# Altium PCB PCB5.PcbDoc (part 1 of 2) (continued)
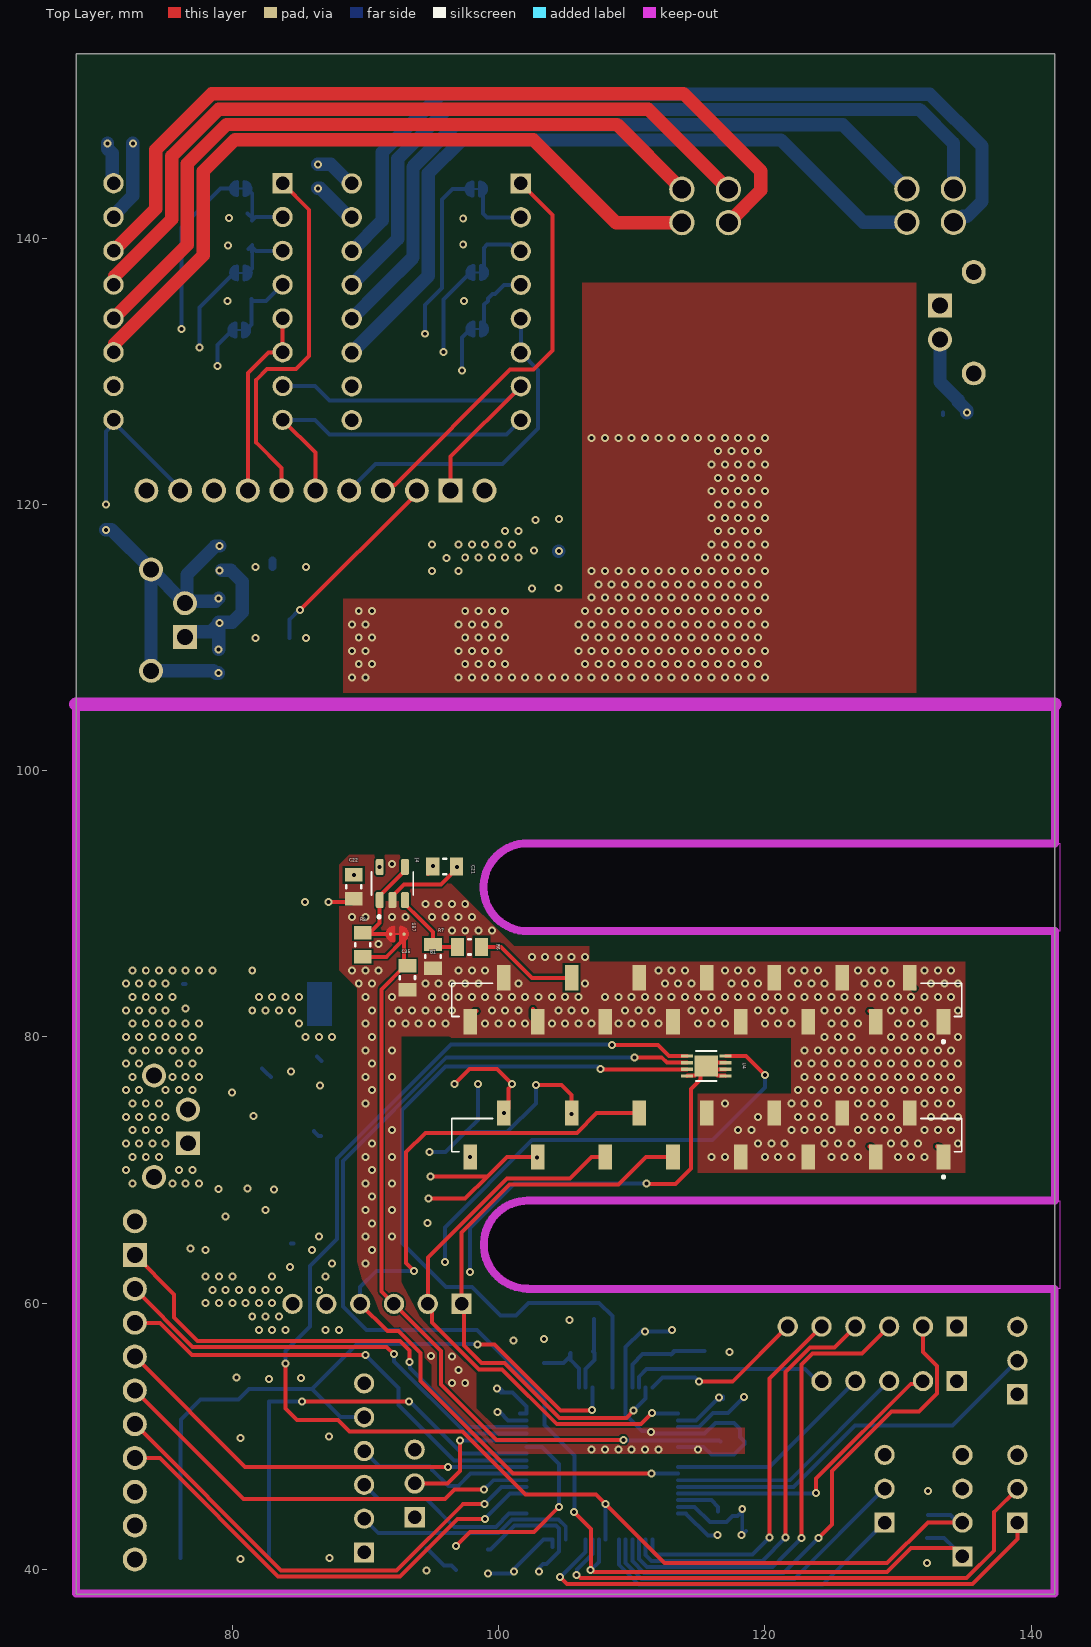
[diagram p0: Top Layer view]
## Footprints (in the part's own frame and the unit in brackets; to place one, negate y for a bottom-side part, rotate by r counter-clockwise, add the part's x,y. Pads: shape width x height; smd on the part's side, far side on the other; paste and mask are expansions set on the pad)
CONN4_1787014_PXC [mm]
  round 1.905 / inner round 1.524 / far side round 1.905 hole 1.397 paste-2539.97 mask+0: 1(0,0) 2(3.5,0) 3(0,-2.5) 4(3.5,-2.5)
  silkscreen extent -5.45,-10.63 8.95,1.39, body extent -5.25,-10.5 8.75,1.1, height 10.8
DFN8_2x3MC_MCH-M [mm]
  rect 0.908x0.255 smd paste+0 mask+0: 1(-1.445,0.75) 2(-1.445,0.25) 3(-1.445,-0.25) 4(-1.445,-0.75) 5(1.445,-0.75) 6(1.445,-0.25) 7(1.445,0.25) 8(1.445,0.75)
  rect 1.753x1.549 smd paste+0 mask+0: 9(0,0)
  silkscreen extent -0.77,-1.13 0.77,1.13, body extent -1.5,-1 1.5,1, height 0.94
DPAK228P994X240_3N [mm]
  rrect50% 0.97x3.02 smd: 1(-2.286,-4.09) 3(2.286,-4.09)
  rect 5.09x6.32 smd paste-4: 4(0,2.44)
  silkscreen extent -3.89,-3.96 3.4,4.18, body extent -3.3,-4.97 3.3,5.06, height 2.41
FSV15150V_TO-277 [mm]
  rect 1.2x1.5 smd: 1(2.75,0.985) 2(2.75,-0.985)
  rect 4.65x4.15 smd: 3(-1,0)
  silkscreen extent -3.56,-2.29 3.56,2.29, body extent -3.25,-2.22 3.25,2.22, height 1.2
GEN_PIN3 [mil] "Generic 40 mils drill size, 100 mils step"
  rect 60x60 / inner round 60 / far side rect 60x60 hole 40: 01(-100,0)
  round 60 hole 40: 02(0,0) 03(100,0)
  silkscreen extent -180,-50 150,50, body extent -150,-50 150,50, height 337
GEN_PIN4 [mil] "Generic 40 mils drill size, 100 mils step"
  rect 60x60 hole 40: 01(-150,0)
  round 60 hole 40: 02(-50,0) 03(50,0) 04(150,0)
  silkscreen extent -230,-50 200,50, body extent -200,-50 200,50, height 337
GEN_PIN5 [mil] "Generic 40 mils drill size, 100 mils step"
  rect 60x60 hole 40: 01(-200,0)
  round 60 hole 40: 02(-100,0) 03(0,0) 04(100,0) 05(200,0)
  silkscreen extent -280,-50 250,50, body extent -250,-50 250,50, height 337
GEN_PIN6 [mil] "Generic 40 mils drill size, 100 mils step"
  rect 60x60 / inner round 60 / far side rect 60x60 hole 40: 01(-250,0)
  round 60 hole 40: 02(-150,0) 03(-50,0) 04(50,0) 05(150,0) 06(250,0)
  silkscreen extent -330,-50 300,50, body extent -300,-50 300,50, height 337
IND_1608_TDK-M [mm]
  rect 0.859x0.851 smd paste+0 mask+0: 1(-0.929,0) 2(0.929,0)
  silkscreen extent -2.27,-0.53 0.18,0.53, body extent -0.8,-0.4 0.8,0.4, height 0.8
LEDC1608X35N [mm]
  rect 0.81x0.93 smd: A(0.81,0) C(-0.81,0)
  silkscreen extent -2.1,-0.45 0.09,0.45, body extent -0.8,-0.4 0.8,0.4, height 0.8
PHOENIX_1706207 [mm]
  rect 1.8x1.8 / inner round 1.8 / far side rect 1.8x1.8 hole 1.2: 1(3.56,6.78)
  round 1.8 hole 1.2: 2(6.1,6.78) MH1(1.02,4.24) MH2(8.64,4.24)
  silkscreen extent 0,0 9.66,8.35, body extent 0.04,0 9.71,7.38, height 4.85
PHOENIX_1821465 [mm]
  rect 1.8x1.8 / inner round 1.8 / far side rect 1.8x1.8 hole 1.2: 1(3.56,1.97)
  round 1.8 hole 1.2: 2(6.1,1.97) 3(8.64,1.97) 4(11.18,1.97) 5(13.72,1.97) 6(16.26,1.97) 7(18.8,1.97) 8(21.34,1.97) 9(23.88,1.97) MH1(1.02,1.97) MH2(26.42,1.97)
  silkscreen extent 0,-0.6 27.44,4.85, body extent 0.05,-0.03 27.5,4.82, height 7.1
PINES8x2-sep [mil]
  rect 60x60 / inner round 60 / far side rect 60x60 hole 40: 1(-335.98,-253.15)
  round 60 hole 40: 2(-235.98,-253.15) 3(-135.98,-253.15) 4(-35.98,-253.15) 5(64.02,-253.15) 6(164.02,-253.15) 7(264.02,-253.15) 8(364.02,-253.15) 9(364.02,246.85) 10(264.02,246.85) 11(164.02,246.85) 12(64.02,246.85) 13(-35.98,246.85) 14(-135.98,246.85) 15(-235.98,246.85) 16(-335.98,246.85)
  silkscreen extent -419,-303 414,300, body extent -400,-301 426,300, height 571
QFP50P1200X1200X160-64N [mm]
  rect 1.5x0.3 smd: 1(-5.7,3.75) 2(-5.7,3.25) 3(-5.7,2.75) 4(-5.7,2.25) 5(-5.7,1.75) 6(-5.7,1.25) 7(-5.7,0.75) 8(-5.7,0.25) 9(-5.7,-0.25) 10(-5.7,-0.75) 11(-5.7,-1.25) 12(-5.7,-1.75) 13(-5.7,-2.25) 14(-5.7,-2.75) 15(-5.7,-3.25) 16(-5.7,-3.75) 33(5.7,-3.75) 34(5.7,-3.25) 35(5.7,-2.75) 36(5.7,-2.25) 37(5.7,-1.75) 38(5.7,-1.25) 39(5.7,-0.75) 40(5.7,-0.25) 41(5.7,0.25) 42(5.7,0.75) 43(5.7,1.25) 44(5.7,1.75) 45(5.7,2.25) 46(5.7,2.75) 47(5.7,3.25) 48(5.7,3.75)
  rect 0.3x1.5 smd: 17(-3.75,-5.7) 18(-3.25,-5.7) 19(-2.75,-5.7) 20(-2.25,-5.7) 21(-1.75,-5.7) 22(-1.25,-5.7) 23(-0.75,-5.7) 24(-0.25,-5.7) 25(0.25,-5.7) 26(0.75,-5.7) 27(1.25,-5.7) 28(1.75,-5.7) 29(2.25,-5.7) 30(2.75,-5.7) 31(3.25,-5.7) 32(3.75,-5.7) 49(3.75,5.7) 50(3.25,5.7) 51(2.75,5.7) 52(2.25,5.7) 53(1.75,5.7) 54(1.25,5.7) 55(0.75,5.7) 56(0.25,5.7) 57(-0.25,5.7) 58(-0.75,5.7) 59(-1.25,5.7) 60(-1.75,5.7) 61(-2.25,5.7) 62(-2.75,5.7) 63(-3.25,5.7) 64(-3.75,5.7)
  silkscreen extent -6.08,-4.6 4.6,4.88, body extent -6,-6 6,6, height 1.6
RES_0805 [mm] "Chip Resistor, 2-Leads, Body 2.00x1.25mm, IPC Medium Density"
  rect 1x1.35 smd: 1(-0.9,0) 2(0.9,0)
  silkscreen extent -0.1,-0.58 0.1,0.58, body extent -1.05,-0.67 1.05,0.67, height 0.6
SOCKET-15_SMD-HARWIN_M20-7861546 [mm]
  rect 1.02x1.9 smd: 1(-12.659,-6.837) 2(-10.119,-3.537) 3(-7.579,-6.837) 4(-5.039,-3.537) 5(-2.499,-6.837) 6(0.041,-3.537) 7(2.581,-6.837) 8(5.121,-3.537) 9(7.661,-6.837) 10(10.201,-3.537) 11(12.741,-6.837) 12(12.741,3.323) 13(10.201,6.623) 14(7.661,3.323) 15(5.121,6.623) 16(2.581,3.323) 17(0.041,6.623) 18(-2.499,3.323) 19(-5.039,6.623) 20(-7.579,3.323) 21(-10.119,6.623) 22(-12.659,3.323) G1(-17.739,-6.837) G2(-15.199,-3.537) G3(15.281,-3.537) G4(17.821,-6.837) G5(17.821,3.323) G6(15.281,6.623) G7(-15.199,6.623) G8(-17.739,3.323)
  silkscreen extent -19.11,-8.44 19.19,6.22, body extent -20.8,-7.08 20.8,7.08, height 11.34
SOIC127P599X175-8N [mm]
  rrect25% 1.58x0.6 smd: 1(-2.67,1.905) 2(-2.67,0.635) 3(-2.67,-0.635) 4(-2.67,-1.905) 5(2.67,-1.905) 6(2.67,-0.635) 7(2.67,0.635) 8(2.67,1.905)
  silkscreen extent -4.35,-2.52 1.99,2.6, body extent -3,-2.45 3,2.45, height 1.75
SolderBridge_Short#1 [mil]
  round 10 smd mask+0: 1(-20,0) 2(20,0)
  Top Layer region: -9.02,-19.51 -20.97,-17.9 -28.54,-10.33 -28.54,10.33 -18.39,20.49 -9.02,20.49
  Top Layer region: 10,20 21.96,18.4 29.53,10.83 29.53,-9.84 19.37,-20 10,-20
  Top Layer lines w6: -10,0 10,0
  Top Layer lines w10: -10,20 ccw(c-10,0) -10,-20 -10,20 ; 10,20 cw(c10,0) 20,17.32 cw(c10,0) 10,-20 10,0 10,20
SolderBridge_Short#2 [mil]
  round 10 smd mask+0: 1(-20,0) 2(20,0)
  Top Layer region: 10,20 21.96,18.4 29.53,10.83 29.53,-9.84 19.37,-20 10,-20
  Top Layer region: -9.02,-19.51 -20.97,-17.9 -28.54,-10.33 -28.54,10.33 -18.39,20.49 -9.02,20.49
  Top Layer lines w6: -10,0 10,0
  Top Layer lines w10: -10,20 ccw(c-10,0) -10,-20 -10,20 ; 10,20 cw(c10,0) 20,17.32 cw(c10,0) 28.23,8.23 cw(c10,0) 30,0 cw(c10,0) 10,-20 10,0 10,20
SolderBridge_Short#3 [mil]
  round 10 smd mask+0: 1(-20,0) 2(20,0)
  Top Layer region: 10,20 21.96,18.4 29.53,10.83 29.53,-9.84 19.37,-20 10,-20
  Top Layer region: -9.02,-19.51 -20.97,-17.9 -28.54,-10.33 -28.54,10.33 -18.39,20.49 -9.02,20.49
  Top Layer lines w6: -10,0 10,0
  Top Layer lines w10: -10,20 ccw(c-10,0) -10,-20 -10,20 ; 10,20 cw(c10,0) 20,17.32 cw(c10,0) 30,0 cw(c10,0) 28.23,-8.23 cw(c10,0) 20,-17.32 cw(c10,0) 10,-20 10,0 10,20
SolderBridge_Short#4 [mil]
  round 10 smd mask+0: 1(-20,0) 2(20,0)
  Top Layer region: 10,20 21.96,18.4 29.53,10.83 29.53,-9.84 19.37,-20 10,-20
  Top Layer region: -9.02,-19.51 -20.97,-17.9 -28.54,-10.33 -28.54,10.33 -18.39,20.49 -9.02,20.49
  Top Layer lines w6: -10,0 10,0
  Top Layer lines w10: -10,-20 cw(c-10,0) -10,20 -10,-20 ; 10,-20 ccw(c10,0) 15.75,-19.16 ccw(c10,0) 20,-17.32 ccw(c10,0) 10,20 10,0 10,-20
SOT95P280X145-5N [mm]
  rrect50% 1.22x0.6 smd: 1(-1.245,0.95) 2(-1.245,0) 3(-1.245,-0.95) 4(1.245,-0.95) 5(1.245,0.95)
  silkscreen extent -2.6,-1.57 0.88,1.57, body extent -1.35,-1.45 1.35,1.45, height 1.45
SOT223-3_ONS-M [mil]
  rect 26x73 smd paste+0 mask+0: 1(-90.5,-129) 2(0,-129) 3(90.5,-129)
  round 1 smd: 4(0,129)
  Top Layer region: 65,92.5 65,165.5 -65,165.5 -65,92.5
  silkscreen extent -186,-148 136,78, body extent -131,-144 131,144, height 68
SOT230P700X180-4N [mm]
  rect 2.15x0.95 smd paste+0 mask+0.102: 1(-2.9,2.3) 2(-2.9,0) 3(-2.9,-2.3)
  rect 2.15x3.25 smd paste+0 mask+0.102: 4(2.9,0)
  silkscreen extent -4.7,-3.25 1.75,3.25, body extent -3.5,-3.25 3.5,3.25, height 1.8
SOT-23_DIO-M [mil]
  rect 24x62 smd paste+0 mask+0: 1(-36.02,-41) 2(36.02,-41) 3(0,41)
  silkscreen extent -64,-105 64,33, body extent -59,-50 59,50, height 45
SW_4-1437565-2 [mm]
  rect 2.1x1.4 smd: 1(-4.55,2.275) 2(4.55,2.275) 3(-4.55,-2.275) 4(4.55,-2.275)
  silkscreen extent -6.35,-3 3,3, body extent -5,-3 5,3, height 5.38
WE-HCF_2920_ROUND [mm]
  rect 8x8.5 smd paste+0 mask+0.102: 1(0,8.5) 2(0,-8.5)
  silkscreen extent -14.1,-12.6 14.1,12.6, body extent -13.62,-11.45 13.68,11.65, height 20
XTALDFN320X250X100-2N [mm]
  rect 1.37x2.43 smd: 1(-0.9,0) 2(0.9,0)
  silkscreen extent -2.69,-0.1 -2.49,0.1, body extent -1.6,-1.25 1.6,1.25, height 1

## Part data
B1: "Image Sensors & Color Sensors CCD Linear Sensor 3648 8x20 54mm", Manufacturer_Name=Toshiba, Manufacturer_Part_Number=TCD1304DG(8Z,AW), Mouser Part Number=757-TCD1304DG8ZAW, Datasheet Link=https://datasheet.datasheetarchive.com/originals/distributors/DKDS-29/569259.pdf, Geometry.Height=3.72mm, Mouser Price/Stock=https://www.mouser.co.uk/ProductDetail/Toshiba/TCD1304DG8ZAW?qs=OLJpxlzHOSRVMcyirxbASw%3D%3D
C1 C2 C3 C4 C5 C6 C7 C8 C9 C10 C11 C12 C13 C14 C15 C16 C17 C18 C19 C20 C21 C22 C23 C24 C25 C26 C27 C28 C29 C30 C31 C32 C33 C34 C35: library part CAP_0805, "Generic Capacitor"
D1: library part DIODE-BAS40-7-F, "Description", Manufacturer_Name="Diodes Inc", Copyright="Copyright (C) 2025 Ultra Librarian. All rights reserved.", Manufacturer_Part_Number=BAS40-7-F, RefDes=RefDes, Type="Diodes - Rectifiers, Single"
D2: library part LED-LTST-C190KRKT, "Red 631nm LED Indication - Discrete 2V 0603 (1608 Metric)", Package="0603 Lite-On", Availability="In Stock", Check_prices=https://www.snapeda.com/parts/LTST-C190KRKT/Lite-On+Inc./view-part/?ref=eda, MF="Lite-On Inc.", MP=LTST-C190KRKT, Price=None, Purchase-URL=https://pricing.snapeda.com/search/part/LTST-C190KRKT/?ref=eda, SnapEDA_Link=https://www.snapeda.com/parts/LTST-C190KRKT/Lite-On+Inc./view-part/?ref=snap
FL1 FL2: library part MMZ1608B601CTAH0, "INDUCTOR; SMT (0603); FERRITE-BEAD; 600; TOL=+/-25%; 0.5A; -55 DEGC TO +125 DEGC", Manufacturer_Name=TDK, Copyright="Copyright (C) 2025 Ultra Librarian. All rights reserved.", Manufacturer_Part_Number=MMZ1608B601CTAH0
J1 J11 J13 J14 J17: Package=None, Availability=Unavailable, Price=None
  J1 J13 J14: MP=1706207
  J11 J17: MF="{'manufacturer': u'Phoenix Contact'}", MP=1821465
J2 J3 J5 J6 J7 J8 J9 J10 J12: "Generic 40 mils drill size, 100 mils step", Package=None, MF="Samtec Inc."
  J2 J3 J5 J6: Check_prices=https://www.snapeda.com/parts/TS-103-T-A/Samtec+Inc./view-part/?ref=eda, MP=TS-103-T-A, SnapEDA_Link=https://www.snapeda.com/parts/TS-103-T-A/Samtec+Inc./view-part/?ref=snap
  J7 J8 J12: Check_prices=https://www.snapeda.com/parts/TS-106-T-A/Samtec+Inc./view-part/?ref=eda, MP=TS-106-T-A, SnapEDA_Link=https://www.snapeda.com/parts/TS-106-T-A/Samtec+Inc./view-part/?ref=snap
  J9: Availability="In Stock", Check_prices=https://www.snapeda.com/parts/TS-104-T-A/Samtec+Inc./view-part/?ref=eda, MP=TS-104-T-A, Price=None, Purchase-URL=https://pricing.snapeda.com/search/part/TS-104-T-A/?ref=eda, SnapEDA_Link=https://www.snapeda.com/parts/TS-104-T-A/Samtec+Inc./view-part/?ref=snap
  J10: Availability="In Stock", Check_prices=https://www.snapeda.com/parts/TS-105-T-A/Samtec+Inc./view-part/?ref=eda, MP=TS-105-T-A, Price=None, Purchase-URL=https://pricing.snapeda.com/search/part/TS-105-T-A/?ref=eda, SnapEDA_Link=https://www.snapeda.com/parts/TS-105-T-A/Samtec+Inc./view-part/?ref=snap
J4: library part OPAMP-MCP6001UT-E/OT, "Microchip MCP6001UT-E/OT Op Amp, 1MHz Rail-Rail, 1.8 - 6 V, 5-Pin SOT-23", Package="SOT-23 Microchip", Check_prices=https://www.snapeda.com/parts/MCP6001UT-E/OT/Microchip/view-part/?ref=eda, MF=Microchip, MP=MCP6001UT-E/OT, SnapEDA_Link=https://www.snapeda.com/parts/MCP6001UT-E/OT/Microchip/view-part/?ref=snap
J15 J16: library part Phoenix_1787014_4P, "PCB headers, nominal cross section: 1.5 mmÂ², color: black, nominal current: 8 A, rated voltage (III/2): 160 V, contact surface: Tin, contact connection type: Pin, number of potentials: 4, number of rows: 2, number of positions: 2, number of connections: 4, product range: DMC 1,5/..-G1F-THR, pitch: 3.5 mm, mounting: THR soldering, pin layout: Linear pinning, solder pin [P]: 2 mm, number of solder pins per potential: 1, plug-in system: COMBICON DFMC 1,5, Pin connector pattern alignment: Standard, locking: Snap-in locking, mounting: Lock &amp; release threaded flange, type of packaging: packed in cardboard", Manufacturer_Name="Phoenix Contact", Copyright="Copyright (C) 2025 Ultra Librarian. All rights reserved.", Manufacturer_Part_Number=1787014, RefDes=RefDes, Type="Headers, Plugs and Sockets"
L1: library part 22uH_74437529203220, Package=None, Availability=Unavailable, MF="{'manufacturer': u'W\xfcrth Elektronik'}", MP=74437529203220, Price=None
Q1: "P-Channel 30V 25A _Ta_ 2.5W _Ta_, 50W _Tc_ Surface Mount TO-252, _D-Pak_", Package="TO-252 Alpha &amp; Omega Semiconductor", Availability=Unavailable, MF="Alpha &", MP=AOD417, Price=None, SnapEDA_Link=https://www.snapeda.com/parts/AOD417/Alpha%20%26%20Omega%20Semiconductor%20Inc./view-part/454934/?ref=snap
R1 R2 R3 R4 R5 R6 R7 R8 R9 R10 R11 R12 R13 R14 R15 R16 R18 R19 R20: library part RES_0805, "Generic Capacitor"
SB7: library part SolderBridge_Short
SW1 SW2: library part SW-4-1437565-2, "Switch Tactile OFF (ON) SPST Round Button Gull Wing 0.05A 24VDC 1VA 9.18N SMD T/R", Package=None, Check_prices=https://www.snapeda.com/parts/FSM4JSMATR/TE+Connectivity+ALCOSWITCH+Switches/view-part/?ref=eda, MF="TE Connectivity", MP=FSM4JSMATR, SnapEDA_Link=https://www.snapeda.com/parts/FSM4JSMATR/TE+Connectivity+ALCOSWITCH+Switches/view-part/?ref=snap
U1: library part REG3_3-NCV1117ST33T3G, "Linear Voltage Regulator IC Positive Fixed 1 Output 1A SOT-223", Package="SOT-223-4 ON Semiconductor", Check_prices=https://www.snapeda.com/parts/NCV1117ST33T3G/Onsemi/view-part/?ref=eda, MF="ON Semiconductor", MP=NCV1117ST33T3G, SnapEDA_Link=https://www.snapeda.com/parts/NCV1117ST33T3G/Onsemi/view-part/?ref=snap
U2: "Description", Manufacturer_Name=onsemi, Copyright="Copyright (C) 2025 Ultra Librarian. All rights reserved.", Manufacturer_Part_Number=NCV1117STAT3G, RefDes=RefDes, Type=Type
U3: "ARM® Cortex®-M4 STM32F4 Microcontroller IC 32-Bit Single-Core 180MHz 256KB (256K x 8) FLASH 64-LQFP (10x10)", Package="LQFP-64 STMicroelectronics", Check_prices=https://www.snapeda.com/parts/STM32F446RCT6TR/STMicroelectronics/view-part/?ref=eda, MF=STMicroelectronics, MP=STM32F446RCT6TR, SnapEDA_Link=https://www.snapeda.com/parts/STM32F446RCT6TR/STMicroelectronics/view-part/?ref=snap
U4: library part MCP9808T-EMC, "Description", Manufacturer_Name=Microchip, Copyright="Copyright (C) 2026 Ultra Librarian. All rights reserved.", Manufacturer_Part_Number=MCP9808T-E/MC, RefDes=RefDes, Type=Type
U5: "Microchip TC4420COA,MOSFET Power Driver 6A,4.5 to 18V,Non-Inverting,8-Pin SOIC", Package="SOIC-8 Microchip", Check_prices=https://www.snapeda.com/parts/TC4420COA/Microchip/view-part/?ref=eda, MF="Microchip Technology", MP=TC4420COA, SnapEDA_Link=https://www.snapeda.com/parts/TC4420COA/Microchip/view-part/?ref=snap
X1: library part CRISTAL-CG04874-8M, "8 MHz ±20ppm Crystal 8pF 500 Ohms 2-SMD, No Lead", Package="SMD-2 NDK America,", Check_prices=https://www.snapeda.com/parts/CG04874-8M/NDK+America%252C+Inc./view-part/?ref=eda, MF="NDK America, Inc.", MP=CG04874-8M, SnapEDA_Link=https://www.snapeda.com/parts/CG04874-8M/NDK+America%252C+Inc./view-part/?ref=snap

## Via types
v1: diameter 0.6, hole 0.3, Top Layer to Bottom Layer, 1017 vias

## Nets (pads, with @x,y where several pads share a name; then routed paths per layer and width w, separated by ;. In a path a pad name is that pad's centre, name@x,y a point inside that pad or via, vN(x,y) a via of type N, cw(c..) or ccw(c..) an arc to the next point about the centre after c; other vN are vias at no path point)
AGND: B1.6 B1.7 B1.8 B1.9 B1.10 B1.11 B1.12 B1.13 B1.14 B1.15 B1.16 B1.17 B1.18 B1.19 B1.20 B1.22 B1.G1 B1.G2 B1.G3 B1.G4 B1.G5 B1.G6 B1.G7 B1.G8 C12.1 C19.2 C20.2 C21.2 C22.2 C24.2 C25.2 C35.1 J4.2 R1.1 R7.2 U3.12 U3.20 U3.22 | length 51.1
  Top Layer w0.3: v1(87.225,90.125) 88.875,90.125 C22.2@89.125,90.375 ; J4.2@92.025,90.28 92.025,90.59 92.885,91.45 95.675,91.45 96.85,92.625 C21.2@96.85,92.8 ; C35.1@92.975,83.55 C35.1@93.15,83.55 ; R7.2@95.032,85.203 R7.2@95.075,85.15 ; v1(96.7,76.475) 97.825,77.6 99.9,77.6 v1(101.025,76.475) 101.025,76.394 100.768,76.137 100.768,74.641 v1(100.408,74.281) ; B1.G8@97.868,81.141 97.868,81.581 98.228,81.941 B1.G8@98.348,81.941 ; B1.22@102.588,82.083 102.588,81.501 B1.22@102.948,81.141 ; B1.19@110.541,84.441 B1.19@110.55,84.45 ; B1.15@120.775,84.425 B1.15@120.85,84.35 ; B1.10@125.808,73.841 B1.10@125.808,74.281 ; B1.13@125.808,84.001 B1.13@125.808,84.35 ; B1.13@125.808,84.441 B1.13@125.808,84.35 ; B1.13@125.925,84.4 125.875,84.35 B1.13@125.808,84.35 ; B1.11@127.868,71.781 127.988,71.781 128.348,71.421 B1.11@128.348,70.981 ; B1.12@127.868,81.941 127.988,81.941 128.348,81.581 B1.12@128.348,81.141 B1.12@128.348,80.701 ; B1.G3@130.775,74.275 130.85,74.35 B1.G3@130.85,73.878 ; B1.G6@130.85,84.4 130.85,84.038 B1.G6@131.248,83.641 ; B1.G4@132.948,71.781 133.068,71.781 133.55,71.298 B1.G4@133.55,70.9 ; B1.G5@133.425,81.05 B1.G5@133.425,81.583
  Bottom Layer w0.3: C19.2@110.825,57.975 C19.2@111,57.975 ; C20.2@112.95,57.975 112.975,57.95 C20.2@113,57.975 C20.2@112.975,58 ; v1(113.025,57.975) 112.925,57.875 v1(111,57.875) 110.725,57.875 109.55,56.7 U3.12@109.55,53.65 109.55,51.626 110.794,50.382 111.393,50.382 v1(111.45,50.325) 111.531,50.325 111.656,50.2 U3.20@113.5,50.2 115.488,50.2 116.288,51 117.675,51 118.125,50.55 118.125,49.95 C12.1@118.475,49.6 118.475,49.425 117.675,48.625 115.987,48.625 115.412,49.2 U3.22@113.5,49.2
  other v1: 107,49 108,49 109,49 110,49 111,49 112,49 115,49 96.5,54 97.5,54 97,55 96.5,56 94.925,56.05 90,63 90.5,64 90,65 92,65 90.5,66 90,67 92,67 90.5,68 90,69 92,69 90.5,70 90,71 92,71 97.868,70.981 116,71 116,71 117,71 117,71 120,71 120,71 121,71 121,71 122,71 122,71 125,71 125,71 126,71 126,71 127,71 127,71 130,71 130,71 131,71 131,71 132,71 132,71 90.5,72 119.5,72 119.5,72 120.5,72 120.5,72 121.5,72 121.5,72 124.5,72 124.5,72 125.5,72 125.5,72 126.5,72 126.5,72 129.5,72 129.5,72 130.5,72 130.5,72 131.5,72 131.5,72 134.5,72 134.5,72 92,73 118,73 118,73 119,73 119,73 122,73 122,73 123,73 123,73 124,73 124,73 125,73 125,73 127,73 127,73 128,73 128,73 129,73 129,73 130,73 130,73 132,73 132,73 133,73 133,73 134,73 134,73 119.5,74 119.5,74 122.5,74 122.5,74 123.5,74 123.5,74 124.5,74 124.5,74 127.5,74 127.5,74 128.5,74 128.5,74 129.5,74 129.5,74 132.5,74 132.5,74 133.5,74 133.5,74 134.5,74 134.5,74 90,75 117,75 117,75 122,75 122,75 123,75 123,75 124,75 124,75 127,75 127,75 128,75 128,75 129,75 129,75 132,75 132,75 133,75 133,75 134,75 134,75 90.5,76 122.5,76 122.5,76 123.5,76 123.5,76 124.5,76 124.5,76 125.5,76 125.5,76 126.5,76 126.5,76 127.5,76 127.5,76 128.5,76 128.5,76 129.5,76 129.5,76 130.5,76 130.5,76 131.5,76 131.5,76 132.5,76 132.5,76 133.5,76 133.5,76 134.5,76 134.5,76 90,77 92,77 123,77 123,77 124,77 124,77 125,77 125,77 126,77 126,77 127,77 127,77 128,77 128,77 129,77 129,77 130,77 130,77 131,77 131,77 132,77 132,77 133,77 133,77 134,77 134,77 90.5,78 122.5,78 122.5,78 123.5,78 123.5,78 124.5,78 124.5,78 125.5,78 125.5,78 126.5,78 126.5,78 127.5,78 127.5,78 128.5,78 128.5,78 129.5,78 129.5,78 130.5,78 130.5,78 131.5,78 131.5,78 132.5,78 132.5,78 133.5,78 133.5,78 134.5,78 134.5,78 90,79 92,79 123,79 123,79 124,79 124,79 125,79 125,79 126,79 126,79 127,79 127,79 128,79 128,79 129,79 129,79 130,79 130,79 131,79 131,79 132,79 132,79 133,79 133,79 134,79 134,79 90.5,80 124.5,80 124.5,80 125.5,80 125.5,80 126.5,80 126.5,80 129.5,80 129.5,80 130.5,80 130.5,80 131.5,80 131.5,80 132.5,80 132.5,80 134.5,80 134.5,80 90,81 92,81 93,81 94,81 95,81 96,81 99,81 99,81 100,81 100,81 101,81 101,81 102,81 102,81 104,81 104,81 105,81 105,81 106,81 106,81 107,81 107,81 109,81 109,81 110,81 110,81 111,81 111,81 112,81 112,81 115,81 115,81 116,81 116,81 117,81 117,81 120,81 120,81 121,81 121,81 122,81 122,81 125,81 125,81 126,81 126,81 127,81 127,81 130,81 130,81 131,81 131,81 132,81 132,81 90.5,82 92.5,82 93.5,82 94.5,82 95.5,82 96.5,82 99.5,82 99.5,82 100.5,82 100.5,82 101.5,82 101.5,82 104.5,82 104.5,82 105.5,82 105.5,82 106.5,82 106.5,82 109.5,82 109.5,82 110.5,82 110.5,82 111.5,82 111.5,82 114.5,82 114.5,82 115.5,82 115.5,82 116.5,82 116.5,82 119.5,82 119.5,82 120.5,82 120.5,82 121.5,82 121.5,82 124.5,82 124.5,82 125.5,82 125.5,82 126.5,82 126.5,82 129.5,82 129.5,82 130.5,82 130.5,82 131.5,82 131.5,82 134.5,82 134.5,82 90,83 92,83 95,83 96,83 97,83 98,83 99,83 100,83 101,83 102,83 103,83 104,83 105,83 106,83 108,83 108,83 109,83 109,83 110,83 110,83 111,83 111,83 112,83 112,83 113,83 113,83 114,83 114,83 115,83 115,83 116,83 116,83 117,83 117,83 118,83 118,83 119,83 119,83 120,83 120,83 121,83 121,83 122,83 122,83 123,83 123,83 124,83 124,83 125,83 125,83 126,83 126,83 127,83 127,83 128,83 128,83 129,83 129,83 130,83 130,83 131,83 131,83 132,83 132,83 133,83 133,83 134,83 134,83 89.5,84 90.5,84 94.5,84 95.5,84 96.5,84 97.5,84 98.5,84 101.5,84 106.5,84 112.5,84 112.5,84 113.5,84 113.5,84 114.5,84 114.5,84 117.5,84 117.5,84 118.5,84 118.5,84 119.5,84 119.5,84 122.5,84 122.5,84 123.5,84 123.5,84 124.5,84 124.5,84 127.5,84 127.5,84 128.5,84 128.5,84 129.5,84 129.5,84 132.5,84 132.5,84 133.5,84 133.5,84 134.5,84 134.5,84 89,85 90,85 91,85 97,85 98,85 99,85 112,85 112,85 113,85 113,85 114,85 114,85 117,85 117,85 118,85 118,85 119,85 119,85 122,85 122,85 123,85 123,85 124,85 124,85 127,85 127,85 128,85 128,85 129,85 129,85 132,85 132,85 133,85 133,85 134,85 134,85 102.5,86 103.5,86 104.5,86 105.5,86 106.5,86 91,87 96.5,88 97.5,88 98.5,88 99.5,88 89,89 90,89 92,89 93,89 95,89 96,89 97,89 98,89 94.5,90 95.5,90 96.5,90 97.5,90 96.875,92.775 92,93
B_DIR: J17.5 P1.8 P2.8 | length 25.1
  Top Layer w0.3: P2.8@83.78,126.354 86.245,123.889 J17.5@86.245,121.05
  Bottom Layer w0.3: P2.8@83.78,126.354 86.223,126.354 87.304,125.273 100.613,125.273 P1.8@101.675,126.335
B_NENBL1: J17.3 P1.1 | length 30.6
  Top Layer w0.3: J17.3@91.325,121.05 91.731,121.05 92.155,121.474 92.21,121.474 100.86,130.125 102.625,130.125 104.05,131.55 104.05,141.74 P1.1@101.675,144.115
B_NENBL2: J17.6 P2.1 | length 27.6
  Top Layer w0.3: J17.6@83.705,121.05 83.705,122.745 81.8,124.65 81.8,129.35 82.614,130.164 84.789,130.164 85.775,131.15 85.775,142.139 P2.1@83.78,144.134
B_NSLP1: J17.4 P1.5 P1.6 | length 24.9
  Bottom Layer w0.3: J17.4@88.785,121.05 90.76,123.025 100.3,123.025 102.975,125.7 102.975,130.115 P1.6@101.675,131.415 P1.5@101.675,133.955
B_NSLP2: J17.7 P2.5 P2.6 | length 14.6
  Top Layer w0.3: J17.7@81.165,121.05 81.165,129.865 82.734,131.434 P2.6@83.78,131.434 P2.5@83.78,133.974
B_PELCTRL: J17.2 U5.2 | length 15.1
  Top Layer w0.3: v1(85.1,112.075) 93.865,120.84 J17.2@93.865,121.05
  Bottom Layer w0.3: U5.2@84.285,109.955 84.285,111.341 85.019,112.075 v1(85.1,112.075)
B_STEP: J17.1 P1.7 P2.7 | length 28.8
  Top Layer w0.3: J17.1@96.405,121.05 96.405,123.605 P1.7@101.675,128.875
  Bottom Layer w0.3: P2.7@83.78,128.894 86.223,128.894 87.304,127.813 100.613,127.813 P1.7@101.675,128.875
BOOT1: J3.02 U3.28 | length 29.4
  Bottom Layer w0.3: U3.28@113.5,46.2 122.15,46.2 126.778,50.828 134.113,50.828 J3.02@138.975,55.69
GND: C1.1 C2.1 C3.1 C4.1 C5.1 C6.1 C7.1 C8.1 C9.1 C10.1 C11.2 C13.1 C14.2 C15.2 C16.2 C17.2 C18.2 C23.2 C26.2 J1.1 J1.MH1 J1.MH2 J2.03 J3.03 J5.03 J6.03 J7.01 J8.06 J9.04 J10.01 J11.9 J11.MH1 J11.MH2 J12.06 R1.2 R3.1 SW1.1 SW1.2 SW2.1 SW2.2 U1.1 U3.18 U3.31 U3.47 U3.63 U4.4 U4.5 U4.6 U4.7 U4.9 | length 64
  Top Layer w0.3: v1(111.125,69) 111.175,68.95 113.3,68.95 114.475,70.125 114.475,76.1 115.181,76.806 115.181,77.391 U4.9@115.607,77.817 ; U4.4@114.162,77.067 114.185,77.09 114.778,77.09 115.505,77.817 U4.9@115.607,77.817 ; U4.5@117.052,77.067 117.029,77.09 116.436,77.09 U4.9@115.959,77.567 ; U4.6@117.052,77.567 U4.9@115.959,77.567 ; U4.7@117.052,78.067 115.857,78.067 U4.9@115.607,77.817 ; U4.9@115.607,77.817 115.709,77.817 U4.9@115.959,77.567
  Bottom Layer w0.3: C6.1@76.325,82.15 v1(76.5,82.15) C6.1@76.675,82.15 ; J1.1@76.665,72.015 J1.1@77.415,71.265 ; v1(76.875,64.1) U1.1@76.899,64.124 ; C1.1@78.875,68.575 v1(78.975,68.575) ; C2.1@81.075,68.55 v1(81.125,68.6) ; C3.1@83.05,68.625 v1(83.125,68.55) ; v1(84.4,77.4) C7.1@84.4,77.55 ; R1.2@85.425,90.125 v1(85.45,90.125) ; v1(97.875,62.35) 97.85,62.375 97.85,65.645 101.205,69 v1(111.125,69) ; C15.2@99.225,41.5 99.4,41.5 101.2,43.3 104.324,43.3 104.55,43.074 U3.47@104.55,42.25 104.55,41.35 103.6,40.4 103.325,40.4 103.05,40.125 v1(103.05,39.85) 102.975,39.925 C14.2@102.975,40.05 ; v1(99.925,51.825) 100.1,51.825 100.725,51.2 U3.63@102.1,51.2 ; U3.31@113.5,44.7 114.726,44.7 115.876,43.55 117.124,43.55 117.574,44 117.95,44 C13.1@118.309,44.359 ; U3.18@113.5,51.2 114.85,51.2 v1(116.575,52.925) C17.2@116.575,52.9 ; C17.2@116.163,52.487 C17.2@116.575,52.9 ; C17.2@116.85,52.787 C17.2@116.85,53 ; v1(118.309,44.539) C13.1@118.309,44.359 ; C16.2@118.595,42.87 C16.2@118.3,42.575 v1(118.25,42.575) 118.309,42.634 C13.1@118.309,44.359 ; C17.2@116.575,52.9 116.575,52.725 116.6,52.75 C17.2@116.6,52.925 C17.2@116.575,52.9
  other v1: 80.625,40.8 87.3,40.85 80.625,49.875 87.275,49.975 82.75,54.3 80.3,54.425 103.4,57.3 105.35,58.75 84.35,62.725 94.675,66.025 79.475,66.525 79.975,75.825 86.6,76.35
GND2: J17.9 J17.MH1 J17.MH2 P1.9 P2.9 R13.1 R14.1 R15.1 R16.1 R18.1 R19.1 R20.1 U5.4 U5.5 | length 13.8
  Bottom Layer w0.3: v1(70.525,120) 70.525,125.468 71.08,126.023 P2.9@71.08,126.205 ; P2.9@71.08,126.354 P2.9@71.08,126.205 ; J17.9@76.085,121.05 76.085,121.2 P2.9@71.08,126.205
  other v1: 81.745,109.955 81.745,115.295 79.65,135.275 97.4,135.3 79.675,139.45 97.35,139.525 97.35,141.5 79.75,141.525
NetB1_3: B1.3 J12.02 U3.17 | length 43.5
  Top Layer w0.3: B1.3@108.028,70.981 106.981,70.981 105.375,69.375 100.639,69.375 94.685,63.421 94.685,59.619 95.016,59.288 95.016,58.559 98.55,55.025 100.275,55.025 104.375,50.925 110.7,50.925 v1(111.525,51.75)
  Bottom Layer w0.3: v1(111.525,51.75) 111.575,51.7 U3.17@113.5,51.7
NetB1_4: B1.4 J12.04 U3.26 | length 64.1
  Top Layer w0.3: J12.04@89.605,59.95 91.655,57.9 92.5,57.9 94.15,56.25 94.15,54.145 98.155,50.14 98.155,50.13 101.085,47.2 v1(111.5,47.2) ; v1(93.65,62.425) 93.045,63.03 93.045,71.345 94.5,72.8 105.891,72.8 107.372,74.281 B1.4@110.568,74.281
  Bottom Layer w0.3: J12.04@89.605,59.95 89.605,61.215 90.815,62.425 v1(93.65,62.425) ; v1(111.5,47.2) U3.26@113.5,47.2
NetB1_5: B1.5 J12.01 U3.15 | length 44.2
  Top Layer w0.3: J12.01@97.225,59.95 97.411,59.764 97.411,56.839 98.725,55.525 100.439,55.525 104.589,51.375 109.599,51.375 v1(110.15,51.926) ; J12.01@97.665,60.06 97.225,60.5 97.225,65.325 100.825,68.925 109.025,68.925 111.081,70.981 B1.5@113.108,70.981
  Bottom Layer w0.3: v1(110.15,51.926) 111.05,52.826 U3.15@111.05,53.65
NetB1_21: B1.21 R6.1 | length 7.7
  Top Layer w0.3: R6.1@98.725,86.775 100.175,86.775 102.509,84.441 B1.21@105.488,84.441
NetC7_2: C7.2 D1.1 R3.2 R4.2 U2.1 | length 1.6
  Bottom Layer w0.3: C7.2@82.25,77.625 C7.2@82.55,77.325 C7.2@82.9,76.975 ; R4.2@86.125,72.933 86.125,72.9 86.475,72.55 R4.2@86.65,72.55
NetC9_2: C9.2 U3.5 X1.2 | length 5.6
  Bottom Layer w0.3: C9.2@103.4,55.5 104.89,55.5 X1.2@105.375,55.985 ; U3.5@106.05,53.65 106.05,55.095 X1.2@105.425,55.72 ; X1.2@105.375,55.985 105.375,56.2 X1.2@105.425,56.25 X1.2@105.425,55.72 ; X1.2@105.375,55.985 105.375,55.77 X1.2@105.425,55.72
NetC10_2: C10.2 U3.6 X1.1 | length 5.6
  Bottom Layer w0.3: U3.6@106.55,53.65 106.55,55.045 107.225,55.72 X1.1@107.225,56.25 X1.1@107.175,56.3 ; X1.1@107.1,56.375 X1.1@107.175,56.3 ; C10.2@107.175,58.8 X1.1@107.175,56.3
NetC11_1: C11.1 J8.05 SW1.3 SW1.4 U3.7 | length 52.2
  Top Layer w0.3: v1(98.425,56.9) 99.7,56.9 104.65,51.95 107,51.95 v1(107.025,51.975)
  Bottom Layer w0.3: SW1.3@76.1,40.85 SW1.4@76.1,49.95 76.149,49.999 76.149,51.274 77.625,52.75 80.45,52.75 81.25,53.55 85.999,53.55 ; J8.05@89.9,51.435 88.119,51.435 86.004,53.55 89.379,56.925 98.4,56.925 v1(98.425,56.9) ; v1(107.025,51.975) 107.05,52 U3.7@107.05,53.65
NetC12_2: C12.2 C35.2 J12.03 R2.2 SB7.2 U3.21 | length 63.4
  Top Layer w0.3: R2.2@89.8,86.025 91.587,86.025 92.8,87.238 92.8,87.285 92.8,87.617 SB7.2@92.908,87.725 92.908,87.617 92.908,87.285 92.908,87.238 92.908,85.417 C35.2@92.975,85.35 ; C35.2@93.15,85.35 C35.2@92.975,85.35 ; v1(109.375,49.725) 99.843,49.725 95.675,53.893 95.675,56.42 91.2,60.895 91.2,83.575 C35.2@92.975,85.35
  Bottom Layer w0.3: v1(109.375,49.725) 109.4,49.7 U3.21@113.5,49.7 116.575,49.7 C12.2@116.675,49.6
NetC13_2: C13.2 U3.30 | length 3.6
  Bottom Layer w0.3: U3.30@113.5,45.2 116,45.2 116.5,44.7 C13.2@116.5,44.525 C13.2@116.5,44.35
NetC26_1: C26.1 R11.1 SW2.3 SW2.4 U3.58 | length 33
  Top Layer w0.3: v1(85.225,52.6) 93.25,52.6 v1(93.275,52.625)
  Bottom Layer w0.3: SW2.3@82.75,40.85 SW2.4@82.75,49.95 C26.1@82.75,52.575 82.775,52.6 v1(85.225,52.6) ; R11.1@85.2,52.6 85.175,52.6 R11.1@85.325,52.45 ; v1(93.275,52.625) 93.336,52.625 97.261,48.7 U3.58@102.1,48.7
NetC34_2: C34.2 J14.1 L1.2 | length 0.2
  Bottom Layer w0.3: C34.2@133.375,126.725 C34.2@133.375,126.9
NetD2_C: D2.C R12.2 | length 2.9
  Bottom Layer w0.3: D2.C@94.575,41.585 94.635,41.585 95.92,40.3 96.45,40.3 R12.2@96.8,39.95
NetD3_3: D3.3 L1.1 Q1.4
  other v1: 89,107 90,107 97,107 98,107 99,107 100,107 101,107 102,107 103,107 104,107 105,107 106,107 107,107 108,107 109,107 110,107 111,107 112,107 113,107 114,107 115,107 116,107 117,107 118,107 119,107 120,107 89.5,108 90.5,108 97.5,108 98.5,108 99.5,108 100.5,108 106.5,108 107.5,108 108.5,108 109.5,108 110.5,108 111.5,108 112.5,108 113.5,108 114.5,108 115.5,108 116.5,108 117.5,108 118.5,108 119.5,108 89,109 90,109 97,109 98,109 99,109 100,109 106,109 107,109 108,109 109,109 110,109 111,109 112,109 113,109 114,109 115,109 116,109 117,109 118,109 119,109 120,109 89.5,110 90.5,110 97.5,110 98.5,110 99.5,110 100.5,110 106.5,110 107.5,110 108.5,110 109.5,110 110.5,110 111.5,110 112.5,110 113.5,110 114.5,110 115.5,110 116.5,110 117.5,110 118.5,110 119.5,110 89,111 90,111 97,111 98,111 99,111 100,111 106,111 107,111 108,111 109,111 110,111 111,111 112,111 113,111 114,111 115,111 116,111 117,111 118,111 119,111 120,111 89.5,112 90.5,112 97.5,112 98.5,112 99.5,112 100.5,112 106.5,112 107.5,112 108.5,112 109.5,112 110.5,112 111.5,112 112.5,112 113.5,112 114.5,112 115.5,112 116.5,112 117.5,112 118.5,112 119.5,112 107,113 108,113 109,113 110,113 111,113 112,113 113,113 114,113 115,113 116,113 117,113 118,113 119,113 120,113 107.5,114 108.5,114 109.5,114 110.5,114 111.5,114 112.5,114 113.5,114 114.5,114 115.5,114 116.5,114 117.5,114 118.5,114 119.5,114 107,115 108,115 109,115 110,115 111,115 112,115 113,115 114,115 115,115 116,115 117,115 118,115 119,115 120,115 115.5,116 116.5,116 117.5,116 118.5,116 119.5,116 116,117 117,117 118,117 119,117 120,117 116.5,118 117.5,118 118.5,118 119.5,118 116,119 117,119 118,119 119,119 120,119 116.5,120 117.5,120 118.5,120 119.5,120 116,121 117,121 118,121 119,121 120,121 116.5,122 117.5,122 118.5,122 119.5,122 116,123 117,123 118,123 119,123 120,123 116.5,124 117.5,124 118.5,124 119.5,124 107,125 108,125 109,125 110,125 111,125 112,125 113,125 114,125 115,125 116,125 117,125 118,125 119,125 120,125
NetJ2_02: J2.02 U3.60 | length 11.4
  Top Layer w0.3: J2.02@93.7,46.46 96.16,46.46 97.11,47.41 v1(97.11,49.7)
  Bottom Layer w0.3: J2.02@93.7,46.46 J2.02@93.934,46.694 ; v1(97.11,49.7) U3.60@102.1,49.7
NetJ4_1: J4.1 J4.4 R2.1 SB7.1 | length 8.7
  Top Layer w0.3: R2.1@90.325,87.725 SB7.1@91.892,87.725 ; R2.1@90.325,87.825 R2.1@89.8,87.825 cw(c90.05,87.659) 89.856,87.888 89.901,87.926 89.957,87.944 cw(c90.05,87.659) 89.998,87.954 90.454,87.954 91.075,88.575 J4.1@91.075,90.28 91.075,90.59 92.795,92.31 92.825,92.31 92.975,92.46 J4.4@92.975,92.77
NetJ4_3: J4.3 R6.2 R7.1 | length 6.2
  Top Layer w0.3: J4.3@92.975,90.28 92.975,89.97 94.085,88.86 94.115,88.86 95.075,87.9 R7.1@95.075,86.95 ; R7.1@95,87.025 R7.1@95.075,86.95 ; R6.2@96.925,86.775 95.25,86.775 R7.1@95.075,86.95
NetJ5_01: J5.01 U3.43 | length 40.9
  Top Layer w0.3: v1(104.6,39.425) 104.611,39.425 105.136,38.9 135.6,38.9 138.975,42.275 J5.01@138.975,43.51
  Bottom Layer w0.3: v1(104.6,39.425) 104.669,39.425 106.55,41.306 U3.43@106.55,42.25